# KiCad board A64-OlinuXino_Rev_H.kicad_pcb (continued)
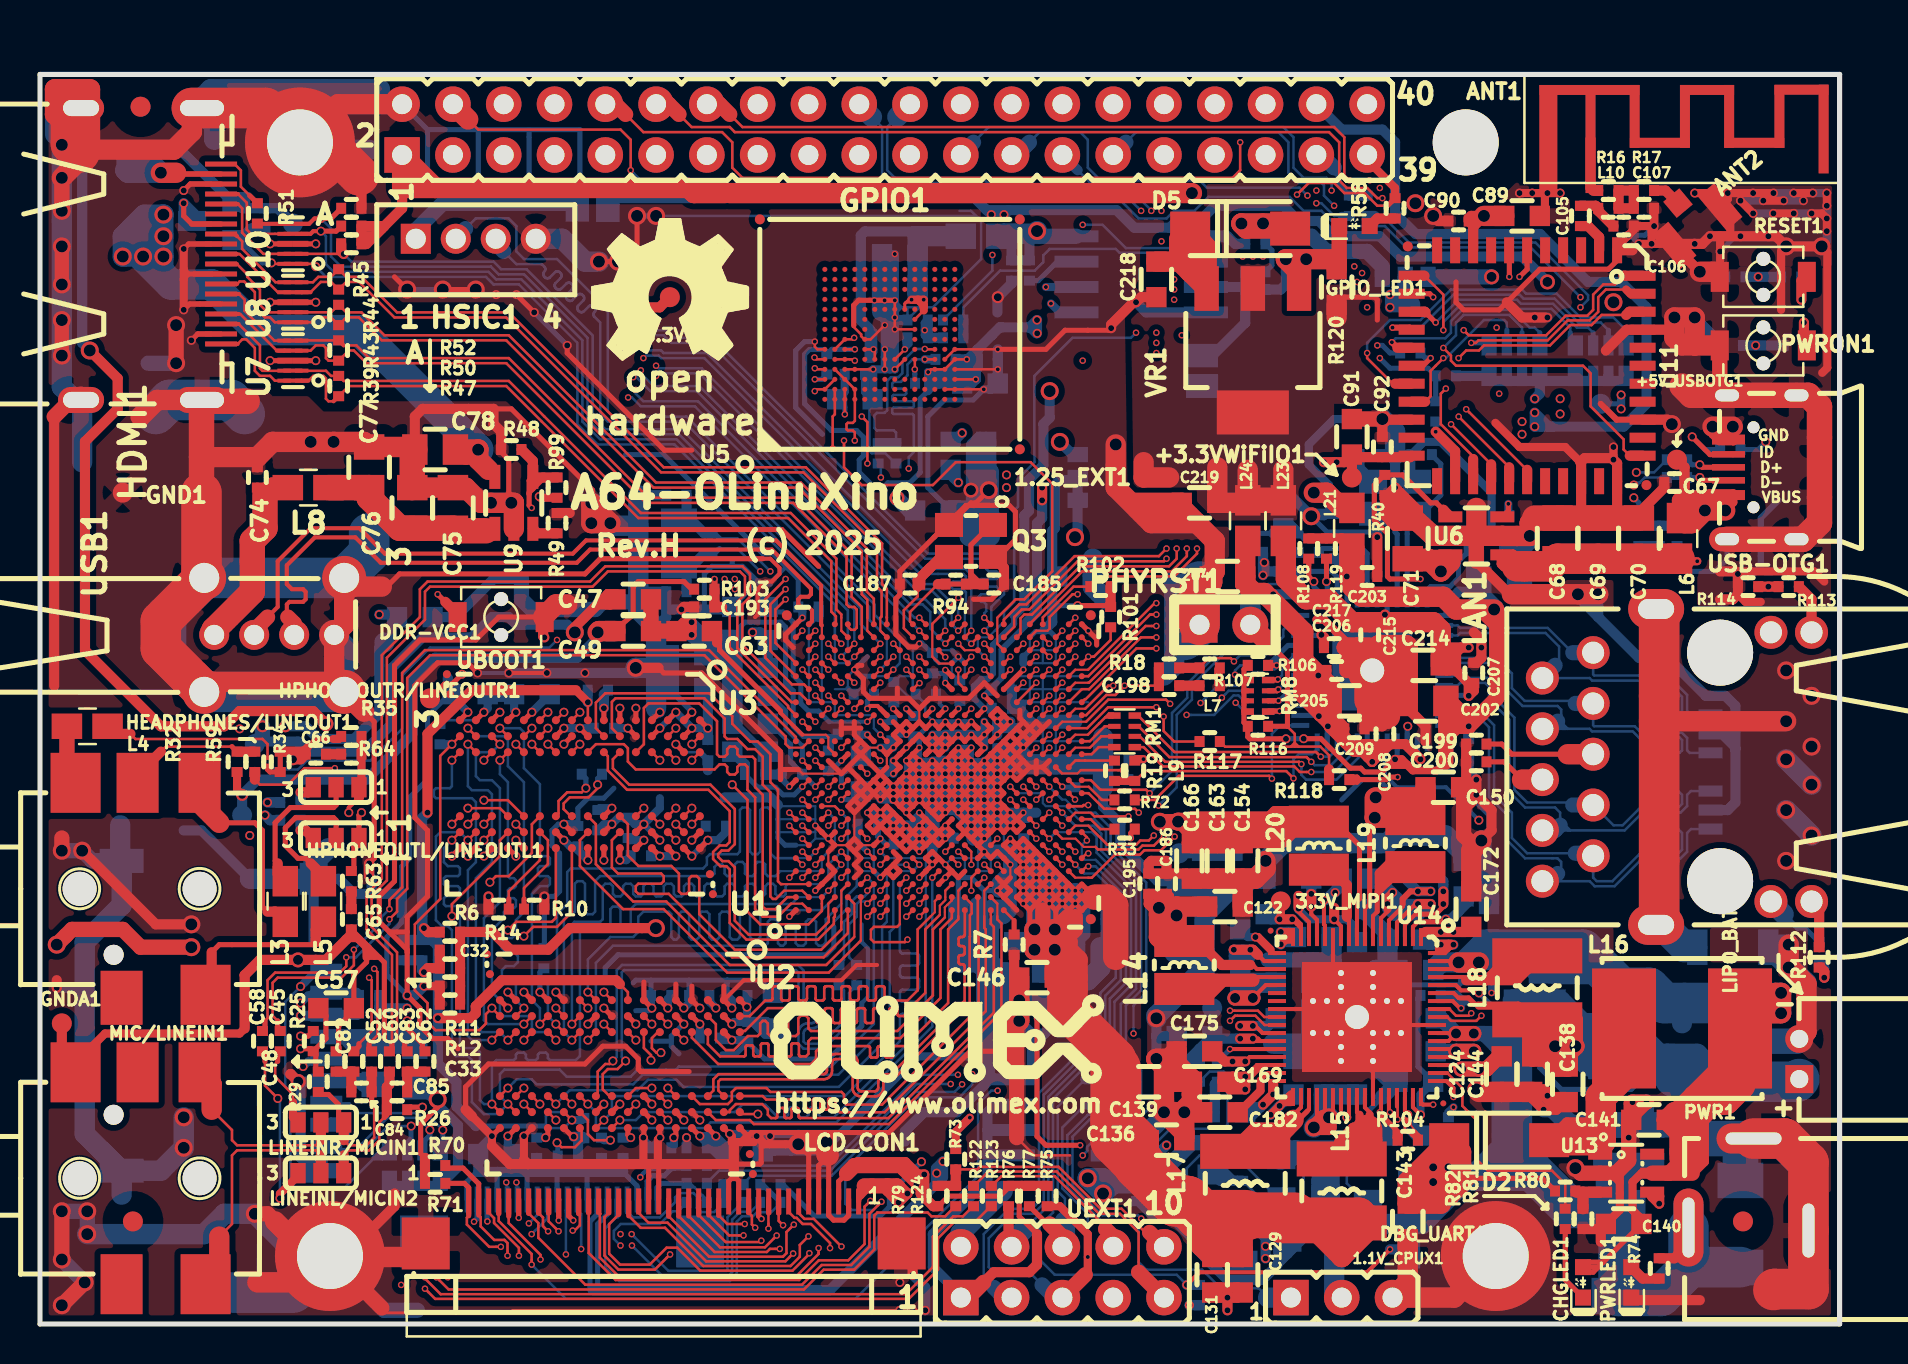
[diagram p0: board, top side]
## Routing (per net, layer and track width the routed paths; a pad name or vN(x,y) marks a point on that pad's centre or on a via; arc(x,y) is an arc through that point) (continued)
+1.8V: length 204.1
  Top w0.203: 70.56,18.85 70.27,18.55 U14.68 ; v3(70.05,18.97) 69.86,18.78 U14.68 ; 70.43,18.97 70.43,18.72 70.03,18.72 U14.68
  Top w0.254: 70.56,18.85 70.56,18.97 ; U1.E13 v4(40.07,28.17)
  Top w0.508: v3(70.05,18.97) 70.56,18.97 ; 27.89,35.99 26.75,34.85 v2(26.75,34.59) ; 27.89,35.99 28.52,35.99 C47.2 28.14,36.25 ; 27.89,35.99 28.14,36.25 ; 28.14,36.25 28.14,36.25 28.4,36.5 28.84,36.5
  In3.Cu w0.508: v5(11.12,29.9) 8.78,27.55 8.78,24.24 9.6,23.42 9.6,10.27 12.71,7.16 16.2,7.16 18.62,4.75 18.62,1.64 19.57,0.69 41.86,0.69 42.62,1.45 43.64,1.45 44.78,2.59 56.84,2.59 57.61,3.35 57.61,5.77 58.05,6.21 66.94,6.21 71.26,10.53 72.66,10.53 73.48,11.35 73.48,17.96 72.47,18.97 v3(70.05,18.97) 69.73,18.97 68.23,20.48 68.23,22.36 69.08,23.21 69.08,27.34 68.4,28.02 68.4,28.63 67.77,29.26 67.77,30.17 68.48,30.88 68.48,37.54 70.61,39.67 71.3,39.67 73.33,41.71 73.99,41.71 77.29,45.01 77.29,47.68 77.67,48.06 77.67,51.61 77.29,51.99 76.78,51.99 76.15,51.36 74.84,51.36 74.45,51.74 73.23,51.74 v1(72.59,52.38)
  In4.Cu w0.254: 37.79,29.13 37.92,29.26 38.99,29.26 v4(40.07,28.17)
  In4.Cu w0.508: 37.79,29.13 37.17,29.13 33.36,32.94 31.57,32.94 30.81,33.71 27.38,33.71 26.75,34.34 v2(26.75,34.59)
  Bottom w0.254: v4(40.07,28.17) 39.57,27.67 C50.2
  Bottom w0.508: +1.8V1.1 10.87,29.13 12.9,29.13 13.41,28.63 16.2,28.63 17.6,30.02 17.6,32.82 19.13,34.34 21.59,34.34 22.61,35.36 23.44,35.36 23.83,34.98 26.36,34.98 v2(26.75,34.59) ; v3(70.69,18.97) v3(70.05,18.97) 69.42,18.97 C170.2
  Bottom w0.762: +1.8V1.1 11.12,29.39 v5(11.12,29.9) ; v1(72.59,52.38) PWR_PC1.3
+3.0VA: length 136.2
  Top w0.203: U14.31 60.5,13.35 v3(60.27,13.13)
  Top w0.254: R103.1 32.59,36.75 32.21,37.13 29.92,37.13 29.67,36.88 29.67,35.48 28.78,34.72 ; U1.N16 v4(45.93,30.78) ; U1.G14 v4(41.38,29.47)
  Top w0.406: v5(10.11,26.47) 9.86,26.72 R32.2
  Top w0.508: v3(60.27,13.13) v3(59.64,13.13) 59.26,13.13 58.75,13.64
  Top w1.016: v2(27.89,34.59) 27.95,34.66 28.71,34.66 ; C49.1 28.02,34.66
  In2.Cu w0.107: 41.7,29.8 42.35,29.8 ; 41.82,28.5 42.22,28.5 42.35,28.62 42.35,29.15 U1.G14 41.7,28.62 41.82,28.5
  In2.Cu w0.254: U1.G14 v4(41.38,29.47) 41.7,29.8 ; 42.35,29.15 42.68,29.47 42.68,29.8 42.35,29.8
  In2.Cu w0.406: 42.68,29.8 43,30.12 43.52,30.12 43.97,30.58 43.97,30.84 44.42,31.29 45.64,31.29 45.93,31.01 v4(45.93,30.78)
  In3.Cu w0.508: v3(60.27,13.13) v3(59.64,13.13) 58.12,11.61 53.88,11.61 48.61,6.34 45.1,6.34 41.1,2.34 22.74,2.34 16.71,8.37 13.68,8.37 11.19,10.87 11.19,24.63 10.11,25.7 v5(10.11,26.47)
  In4.Cu w0.254: 39.45,29.47 39.57,29.47 ; 39.45,29.47 v4(41.38,29.47) ; 39.45,29.47 39.28,29.64 37.67,29.64 37.54,29.77
  In4.Cu w0.508: v2(27.89,34.59) 31.06,34.59 31.95,33.71 33.6,33.71 37.54,29.77
  Bottom w0.305: 45.99,31.17 45.93,31.1 v4(45.93,30.78)
  Bottom w0.406: v4(41.38,29.47) 40.93,29.47 C46.1
  Bottom w0.508: +3.0VA1.1 v5(10.11,26.47) 10.87,27.23 16.33,27.23 18.62,29.52 18.62,32.18 19.76,33.33 26.87,33.33 27.89,34.34 v2(27.89,34.59)
+3.3V: length 377.7
  Top w0.203: U14.20 60.86,17.75 60.66,17.96 60.53,17.96
  Top w0.254: v4(47.88,30.12) 47.55,30.45 47.88,30.78 U1.U16 ; v4(47.88,30.12) U1.U16 ; v4(47.88,30.12) U1.U15 ; 40.35,7.54 39.94,7.13 39.94,6.23 ; 30.3,50.72 v3(30.3,50.85) ; v4(45.28,32.71) 45.29,32.71 U1.N19 ; R76.1 48.44,6.83 48.01,6.4 45.44,6.4 44.93,5.89 R79.1 ; U1.U16 v4(48.53,30.12) U1.U15 ; 49.86,4.5 48.97,5.39 48.97,6.78 49.1,6.91 ; 44.22,7.37 44.15,7.44 ; U1.N18 45.29,32.06 v4(45.28,32.06) ; U1.U15 v4(47.88,29.47) U1.T14 ; 19.25,8.31 19.04,8.52 19.04,10 19.89,10.85 v2(19.89,11.23) ; U1.L16 v4(44.62,30.78)
  Top w0.406: 43.64,7.42 44.17,7.42 44.22,7.37 43.89,7.04 ; 44.22,6.35 44.22,6.58 ; v3(24.97,41.39) 25.03,41.33 R99.1
  Top w0.508: 49.86,4.5 49.86,2.97 49.48,2.59 47.7,2.59 47.19,2.08 ; 55.83,21.51 C186.2 56.46,21.39 56.46,20.5 56.84,20.5 ; 55.83,21.51 C195.2 55.45,21.01 55.96,20.5 55.96,21.39 55.83,21.51 ; 3.3V1.1 30.99,50.85 v3(30.3,50.85) ; 19.25,8.31 R70.2 R71.2 ; 60.53,17.96 59.1,17.96 57.9,19.16 L14.2 ; R75.1 48.41,6.91 ; 44.11,7.26 43.28,8.1 40.9,8.1 40.73,7.92 ; 44.28,6.29 44.04,6.52 44.04,6.89 43.89,7.04 ; 44.28,6.29 44.68,5.89 R79.1 ; 44.28,6.29 44.22,6.35 v3(44.22,7.48) 43.57,7.48 43.13,7.92 43.13,7.67 v3(43.83,6.97) 44.22,6.58 ; 71.67,54.95 71.74,54.95 v2(72.21,55.42) 71.58,55.42 71.45,55.3 C90.2 71.67,54.95 ; 71.67,54.95 U11.9 ; U13.4 80.62,6.37 v3(80.97,6.02) 80.97,6.4 80.78,6.59 U13.4
  Top w0.762: 47.19,2.08 46.43,1.32 UEXT1.1 ; 43.64,7.42 43.13,7.92 40.73,7.92 40.34,7.53 ; v2(7.57,18.85) 5.03,18.85 4.14,19.74 1.6,19.74 v2(0.84,18.97)
  Top w1.016: 56.84,20.88 56.46,20.5 ; 56.84,20.88 56.84,20.87 56.84,20.5 ; 56.84,20.88 C122.2 ; C89.2 v2(72.21,55.42) ; v2(60.08,55.04) 60.34,54.79 D5.2 62.26,55.05 v2(61.16,55.05) 60.08,55.05 ; 55.96,20.5 56.84,20.5 ; 56.84,20.5 56.84,19.54 L14.2 56.15,19.16 55.96,19.36 v2(55.96,20.82) ; v2(63.7,41.58) 64.34,41.58 65.1,40.82 L21.2 ; 60.34,54.78 60.08,55.04
  In4.Cu w0.107: 44.95,30.45 45.6,30.45 ; 44.95,30.45 44.95,29.8 ; 44.95,30.45 v4(44.62,30.78) U1.L16 44.3,29.8 44.95,29.8 ; 45.6,30.45 46.25,30.45 ; 45.6,30.45 45.6,31.1 ; 45.6,30.45 45.6,29.8 ; 46.9,30.45 47.55,30.45 ; 46.9,30.45 46.25,30.45 ; 46.9,30.45 46.9,29.8 ; 46.9,30.45 46.9,31.1 47.55,31.1 ; 46.25,30.45 46.25,29.8 ; 46.25,30.45 46.25,31.1 ; 45.6,29.8 46.25,29.8 ; 45.6,29.8 44.95,29.8 ; 46.25,29.8 46.9,29.8 ; 46.9,29.8 47.55,29.8 ; 46.25,32.08 46.25,35.97 ; 46.25,32.08 46.9,32.08 46.9,32.4 ; 46.25,32.08 46.24,32.06 v4(45.28,32.06) ; 46.9,32.4 46.9,35.97 ; 46.9,32.4 52.1,32.4 ; 48.85,31.1 49.5,31.1 ; 48.85,31.1 48.53,30.78 ; 48.85,31.1 48.85,34.67 ; 49.5,31.1 50.15,31.1 ; 49.5,31.1 49.5,33.87 49.5,33.87 49.5,34.67 49.5,34.67 ; 50.15,31.1 50.8,31.1 ; 50.15,31.1 50.15,35 ; 50.8,31.1 51.45,31.1 ; 50.8,31.1 50.8,35 ; 51.45,31.1 51.78,31.1 52.1,31.42 52.1,31.75 ; 51.45,31.1 51.45,35 ; 52.1,31.75 52.1,32.4 ; 52.1,31.75 47.88,31.75 ; 52.1,32.4 52.1,35 ; 43.65,32.4 40.4,32.4 ; 43.65,32.4 43.65,33.7 ; 43.65,32.4 44.94,32.4 45.11,32.23 ; 43.65,32.4 43.65,32.39 43.01,31.75 43,31.75 ; 40.4,32.4 39.75,32.4 ; 40.4,32.4 40.4,34.35 ; 38.12,34.03 38.45,33.7 52.75,33.7 ; 42.35,31.75 41.38,31.75 ; 42.35,31.75 43,31.75 ; 42.35,31.75 42.35,34.35 ; 43,31.75 43,34.67 ; 42.35,34.35 42.35,34.67 ; 42.35,34.35 45.12,34.35 45.12,34.35 45.43,34.35 45.43,34.35 52.75,34.35 ; 39.75,32.4 39.1,32.4 ; 39.75,32.4 39.75,34.35 ; 39.1,32.4 37.8,32.4 ; 39.1,32.4 39.1,34.35 38.45,34.35 38.45,35 37.8,35 ; 52.75,33.05 45.44,33.05 45.43,33.03 44.64,33.03 44.62,33.05 38.28,33.05 38.28,33.05 37.8,33.05 37.8,33.05 ; v4(45.28,32.71) 45.6,33.04 45.6,34.51 45.59,34.52 45.59,35.64 45.6,35.65
  In4.Cu w0.254: 44.22,7.37 43.89,7.04 ; v4(47.88,29.47) 47.55,29.8 v4(47.88,30.12) v4(47.88,29.47) ; v4(47.88,29.47) U1.U15 v4(48.53,30.12) 48.53,30.78 ; v2(0.84,18.97) 2.11,20.24 2.74,20.24 3.5,21.01 3.5,24.05 0.84,26.72 0.84,42.91 3.63,45.71 3.63,49.58 2.74,50.47 ; 44.62,32.72 44.62,32.72 45.11,32.23 45.11,32.23 v4(45.28,32.06)
  In4.Cu w0.406: 24.97,41.96 v3(24.97,41.39)
  In4.Cu w0.508: 57.35,3.1 56.85,2.59 47.32,2.59 47.32,4.75 47.7,5.13 54.31,5.13 ; 16.46,11.61 16.46,14.21 18.04,15.79 v3(18.36,15.79)
  In4.Cu w0.711: 44.62,32.72 44.62,35.88
  In4.Cu w0.762: v2(19.89,11.23) 19.89,11.35 19.63,11.61 16.46,11.61 15.32,10.47 11.51,10.47 10.62,11.35 10.62,15.8 v2(7.57,18.85) ; 44.62,35.88 44.62,39.55 v1(42.86,41.31) ; 0.84,17.96 v2(0.84,18.97) ; 56.84,20.5 56.84,20.5
  In4.Cu w1.016: v2(55.96,20.82) 56.34,20.43 v2(56.84,20.43) 60.46,20.43 62.69,22.66 ; UEXT1.1 47.32,2.59
  In4.Cu w1.524: 68.66,24.44 67.26,23.04 63.07,23.04 62.69,22.66
  Bottom w0.254: v3(86.31,44.12) 85.93,43.74 R37.2 ; R56.2 61.61,52.95 61.61,53.71 R53.2 ; C73.2 45.28,32.54 ; 45.28,32.54 v4(45.28,32.06) ; 45.28,32.54 v4(45.28,32.71)
  Bottom w0.508: v4(47.88,29.47) 47.88,29.78 C80.1 ; v2(61.16,55.05) 61.29,54.92 R53.2 ; U4.2 47.38,9.7 ; 47.38,8.43 47.38,7.23 44.65,4.5 44.65,2.84 46.05,1.45 UEXT1.1 ; 47.38,8.43 47.38,9.7 ; 47.38,8.43 U4.1 ; 47.38,9.7 47.38,10.59 47.76,10.97 U4.3 ; C80.1 47.88,29.83 v4(47.88,30.12) v4(48.53,30.12) ; C80.1 C115.2 ; 55.32,8.43 C39.1 55.96,8.56 ; 55.32,8.43 55.83,8.43 55.96,8.56 ; 55.32,8.43 U4.8 ; 18.36,6.91 17.47,6.91 RM7.4.1 ; 18.36,6.91 RM7.3.1 ; 18.36,6.91 19.13,6.91 ; 55.96,8.56 v3(56.34,8.94) ; 19.13,6.91 RM7.2.1 ; 19.13,6.91 19.76,6.91 RM7.1.1 20.21,7.16 20.9,7.86 20.9,9.93 19.89,10.95 v2(19.89,11.23) ; R30.2 R31.2 16.97,15.79 v3(18.36,15.79) ; 3.3V/VCC-PE:2.8V1.3 51.64,43.48 v2(51,44.12) ; R95.2 v3(57.48,0.94) ; 49.73,54.53 49.86,54.66 v2(49.86,54.67) 49.48,54.29 R57.2 C81.2 48.59,54.53 49.73,54.53
  Bottom w0.762: L2.1 19.13,11.99 v2(19.89,11.23) ; 67.13,52.88 66.37,53.65 64.34,53.65 63.58,54.41 62.56,54.41 61.92,55.05 v2(61.16,55.05) 60.28,55.05 60.27,55.04 ; C116.2 43.48,40.69 v1(42.86,41.31) ; U12.8 49.97,54.41 49.86,54.52 v2(49.86,54.67) ; PWR_PC1.1 67.13,52.63
  Bottom w1.016: L1.1 48.21,54.53 49.73,54.53 49.86,54.66
+3.3VD: length 183.6
  Top w0.203: 62.56,19.61 62.66,19.51 U14.17
  Top w0.254: U1.M16 v4(45.28,30.78)
  Top w0.406: 62.56,19.61 v3(62.05,19.61) v3(62.05,18.99) 62.29,19.23 62.56,19.23
  Top w0.508: v1(14.3,30.02) 13.67,30.66 9.98,30.66 9.22,29.9 6.05,29.9 2.25,33.69 2.25,44.13 3.89,45.77 3.89,47.3 v2(2.49,48.69)
  In3.Cu w0.508: v3(62.05,19.61) v3(62.05,18.99) 60.26,17.2 59.51,17.2 58.88,16.56 58.88,13.39 57.86,12.37 53.67,12.37 48.26,6.96 44.82,6.96 40.82,2.96 26.06,2.96 25.22,3.8 24.4,3.8 23.8,4.4 21.55,4.4 16.96,8.99 13.94,8.99 12.52,10.4 12.52,11.48 11.82,12.18 11.82,24.37 13.79,26.34 13.79,29.52 v1(14.3,30.02)
  In4.Cu w0.107: 40.4,31.75 39.22,31.75 39.1,31.62 39.1,31.1 40.4,31.1 40.4,30.58 40.28,30.45 39.1,30.45
  In4.Cu w0.203: 39.1,30.45 38.78,30.78
  In4.Cu w0.254: 40.4,31.75 40.72,31.42 ; 40.72,31.42 40.72,31.43 ; 40.72,31.42 44.62,31.42 v4(45.28,30.78) ; 40.72,31.42 40.4,31.1 ; 39.1,31.1 38.78,30.78
  In4.Cu w0.406: 38.78,30.78 38.45,30.78 38.4,30.83
  In4.Cu w0.508: 38.4,30.83 37.5,30.83 33.35,34.98 33.35,35.48 32.46,36.37 25.09,36.37 24.08,35.36 22.68,35.36 21.41,34.09 18.49,34.09 17.22,32.82 17.22,31.17 16.08,30.02 v1(14.3,30.02)
  Bottom w0.203: C79.2 45,31.31 45,31 45.22,30.78 v4(45.28,30.78)
  Bottom w0.406: C161.2 62.56,19.61
  Bottom w0.508: 62.56,19.61 v3(62.05,19.61) v3(62.05,18.99) 62.42,19.36 C161.2 ; +3.3VD1.1 11.89,55.8 R46.1 10.13,55.8 FET1.1 9.62,56.12 6.76,58.98 2.74,58.98 2.11,58.34 2.11,49.07 v2(2.49,48.69)
+3.3VWiFiIO: length 103.1
  Top w0.203: U14.13 64.26,19.94 64.21,19.99 v3(64.21,21.2)
  Top w0.254: U1.T17 v4(47.22,31.42)
  Top w0.508: v3(64.21,43.1) 65.23,43.1 C91.2 ; C91.2 65.74,43.36 C92.2 68.52,43.36 U11.22 ; C91.2 +3.3VWiFiIO1.1 ; v3(50.11,41.2) v3(50.11,41.83)
  In2.Cu w0.508: 50.81,41.83 v3(50.11,41.83) v3(50.11,41.2) 50.75,41.83 50.81,41.83 ; 50.81,41.83 55.96,41.83 57.23,43.1 v3(64.21,43.1) 70.45,43.1 72.36,45.01 73.12,45.01 74.39,46.28 v3(74.75,46.28) 75.01,46.28 75.39,45.9 75.39,43.23 ; 64.59,24.5 64.59,26.85 64.21,26.47 v3(64.21,21.2) ; v3(64.21,21.2) 64.59,21.58 v3(64.77,21.58) ; v3(64.21,21.2) 64.21,21.45 64.53,21.77 64.59,21.77
  In2.Cu w0.762: 66.24,30.53 65.26,31.52 65.26,33.61 66.37,34.72 66.37,35.74 67.77,37.13 67.77,38.02 69.67,39.93 71.2,39.93 73.1,41.83 73.99,41.83 75.39,43.23
  In2.Cu w1.016: 64.59,21.77 64.59,26.47 65.73,27.61 65.73,28.49 66.24,29.01 66.24,30.53
  Bottom w0.305: v4(47.22,31.42) 47.5,31.7 C110.2 47.59,31.82 48.09,32.32 48.09,33.73 49.35,34.99 49.35,35.1
  Bottom w0.508: RM9.1.1 79.32,47.17 78.44,47.17 ; 73.35,47.17 RM12.3.1 ; 73.35,47.17 74.94,47.17 75.01,47.23 RM12.1.1 75.01,46.53 v3(74.75,46.28) ; 73.35,47.17 72.47,47.17 RM12.4.1 R61.2 ; RM9.3.1 77.67,47.17 75.01,47.17 ; v3(64.77,21.58) 65.1,21.91 C165.2 65.1,22.21 ; 65.16,22.09 64.27,21.2 v3(64.21,21.2) ; 78.44,47.17 RM9.2.1 ; 78.44,47.17 77.74,47.17 ; 49.35,35.1 49.86,35.61 49.86,40.06 50.11,40.31 v3(50.11,41.83)
  vias: v3(64.85,43.1)
+5V: length 342.2
  Top w0.254: 41.1,6.4 40.94,6.25 LCD_CON1.1 ; 41.1,6.4 41.1,6.78 41.22,6.91 40.94,6.63 40.94,6.23 ; 41.1,6.4 41.6,6.91
  Top w0.406: 43.38,6.53 43.16,6.31 ; 43.16,6.31 43.32,6.46 ; 43.16,6.31 v3(42.94,6.08)
  Top w0.508: 22.43,42.72 22.75,42.4 U9.5 ; C78.1 21.28,43.23 21.92,43.23 ; 69.42,38.28 69.61,38.47 70.53,38.47 70.53,38.12 ; 69.8,37.9 68.78,37.9 C71.1 ; 17.19,54.91 17.22,54.91 18.11,55.8 18.11,56.82 ; 17.19,54.91 17.19,54.88 17.09,54.79 ; 17.19,54.91 R50.1 16.08,54.41 ; 17.09,54.79 16.71,54.41 16.08,54.41 ; 17.09,54.79 16.33,54.03 R47.1 16.08,54.41 ; v3(43.38,6.53) 43,6.91 42.37,6.91 42.37,6.65 v3(42.94,6.08) v3(43.38,6.53)
  Top w0.762: 42.92,6.83 42.84,6.91 42.37,6.91 ; 42.37,6.91 42.88,6.4 ; 42.37,6.91 41.22,6.91 ; 34.24,56.57 34.37,56.69 34.49,56.57
  Top w1.016: 21.92,43.74 21.9,43.74 v2(21.91,43.73) ; 21.92,43.74 C78.1 ; 21.92,43.74 21.92,43.23 22.43,42.72 ; C71.1 69.42,38.28 70.05,37.64 v2(70.06,37.64) 70.53,38.12 70.53,38.12 ; v2(57.61,56.57) 34.49,56.57 ; 19.76,56.82 18.11,56.82 GPIO1.1 19.76,56.82 ; 19.76,56.82 32.46,56.82 32.71,56.57 34.24,56.57
  In2.Cu w1.016: v2(6.17,55.49) 5.22,55.49 4.14,54.41 v2(4.14,53.39) ; v2(6.17,55.49) 4.14,53.45 v2(4.14,53.39) ; v2(6.17,55.49) 6.17,52.38 6.55,51.99 ; v2(4.14,53.39) v2(6.17,53.39) ; v2(78.69,51.1) 75.9,53.9 65.61,53.9 64.34,55.17 63.07,55.17 61.67,56.57 v2(57.61,56.57) ; v2(5.16,53.39) v2(6.17,54.41)
  In2.Cu w1.524: v2(5.16,53.39) 6.55,51.99 8.58,51.99 10.87,49.71 14.49,49.71 16.59,51.8 16.59,56.06 18.11,57.58 GPIO1.1
  In3.Cu w1.016: v2(78.69,51.1) 78.69,47.68 78.18,47.17 78.18,44.63 72.34,38.79 71.2,38.79 v2(70.06,37.64)
  In4.Cu w0.508: 43.32,4.31 42.94,4.69 v3(42.94,6.08) ; v3(42.94,6.08) 43.5,5.52 44.54,5.52 44.26,5.52 43.32,6.46 v3(42.94,6.08) ; v3(42.94,6.08) v3(43.38,6.53) 43.61,6.3 45.53,6.3 46.01,6.78 ; v3(42.94,6.08) 43.32,6.08 44.21,5.19
  In4.Cu w0.762: 4.52,53.52 6.05,53.52 v2(6.17,53.39)
  In4.Cu w1.016: v2(6.17,53.39) 4.65,51.87 4.65,51.36 ; v2(6.17,53.39) v2(4.14,53.39) 4.14,54.41 5.22,55.49 v2(6.17,55.49) v2(6.17,53.39) ; 51.64,6.78 51.89,6.78 v2(52.4,7.29) ; 4.52,54.41 v2(6.17,54.41) 5.79,54.79 4.52,54.79
  In4.Cu w1.27: v2(53.16,6.53) 51.89,6.53 51.64,6.78
  In4.Cu w2.032: 5.03,49.58 5.03,45.01 2.74,42.72 2.74,27.36 5.54,24.56 5.54,18.34 8.84,15.04 8.84,10.72 11.12,8.43 16.49,8.43 23.47,1.45 40.37,1.45 43.23,4.31 43.32,4.31 44.54,5.52 44.76,5.52 46.01,6.78 53.03,6.78 ; 5.03,49.58 5.03,53.14 5.28,53.39 ; 5.03,49.58 5.03,50.98 4.65,51.36 4.65,53.39
  Bottom w0.508: 62.94,8.43 63.07,8.56 65.35,8.56 65.99,7.92 66.37,7.92 ; 62.94,8.43 62.62,8.12 62.09,8.12 62.41,8.43 62.94,8.43
  Bottom w0.762: 61.96,8.12 61.96,8.78 61.93,8.81 ; 61.96,8.12 61.96,8.14 61.04,9.07 ; 61.96,8.12 62.12,8.12 62.81,8.81 ; 62.81,8.81 65.61,8.81 66.37,8.05 ; 62.81,8.81 61.93,8.81 ; 53.92,7.29 53.54,6.91 5V_E1.2 54.94,7.16 55.47,7.69 56.23,7.69 57.61,9.07 61.04,9.07 ; 53.92,7.29 55.07,7.29 ; 53.92,7.29 53.16,7.29 ; 61.93,8.81 61.67,9.07 61.04,9.07
  Bottom w1.016: 4.52,54.79 4.52,54.78 ; 4.52,54.78 5.22,55.49 v2(6.17,55.49) ; 4.52,54.78 4.52,53.52 5.54,53.52 ; v2(6.17,55.49) 4.84,54.16 D3.2 ; v2(6.17,55.49) 6.11,55.42 5.16,55.42 4.14,54.41 v2(4.14,53.39) v2(6.17,53.39) ; v2(6.17,55.49) v2(6.17,53.39) ; v2(5.16,53.39) v2(6.17,54.41) ; v2(6.17,53.39) 6.17,52.38 6.55,51.99 ; v2(52.4,7.29) 53.04,7.29 53.29,7.04 53.29,6.91 ; v2(52.4,7.29) v2(53.16,6.53) 53.54,6.91 53.16,7.29 v2(52.4,7.29)
  Bottom w1.524: 8.58,51.99 8.71,51.87 ; 8.58,51.99 6.55,51.99 v2(5.16,53.39) ; 8.58,51.99 10.87,49.71 15.95,49.71 21.91,43.75 v2(21.91,43.73)
+5V_EXT: length 103
  Top w0.203: U14.58 70.79,14.55 v1(70.81,14.53) 70.44,14.15 U14.57
  Top w0.508: R74.1 81.74,3.29 82.44,3.99 PWR1.+ 82.44,3.74
  Top w0.762: v1(70.81,14.53) v1(71.7,14.53)
  Bottom w0.508: 58.75,2.84 58.24,3.35 ; 58.75,2.84 59.38,2.21 61.14,2.21 61.89,2.96 61.89,3.01 ; 58.75,2.84 57.73,3.86 57.73,4.19 56.66,5.26 55.83,5.26 5V_E1.1 ; 62.39,3.52 U16.3 61.93,3.65 61.93,3.05 61.89,3.01 ; 62.39,3.52 62.39,4.07 62.43,4.11 ; 62.39,3.52 63.58,4.7 63.58,4.88 ; 62.39,3.52 61.89,3.01 ; R20.2 58.62,2.97
  Bottom w0.762: v1(71.7,14.53) 73.61,14.53 73.61,13.89 72.85,13.89 72.21,14.53 v1(71.7,14.53) ; v1(71.7,14.53) v1(70.81,14.53) 70.05,15.29 C121.1 ; 69.61,5.32 71.32,7.04 ; 69.61,5.32 69.16,4.88 64.97,4.88 ; 69.61,5.32 69.42,5.13 ; 71.32,7.04 72.97,8.69 73.61,8.69 71.96,7.04 ; 71.32,7.04 71.96,7.04 ; 71.32,7.04 74.5,7.04 74.5,7.8 73.86,8.43 ; 71.96,7.04 72.85,7.04 74.05,8.24 ; 64.17,5.85 63.96,6.07 63.96,6.78 ; 64.17,5.85 64.61,5.41 ; 64.17,5.85 63.64,5.32 ; 64.17,5.85 64.17,4.88 ; 64.17,4.88 64.97,4.88 ; 64.17,4.88 63.19,4.88 ; 64.97,4.88 64.97,5.05 64.61,5.41 ; 63.19,4.88 62.43,4.11 ; 63.19,4.88 63.64,5.32 ; 64.61,6.38 64.61,5.74 65.23,5.13 ; 64.61,6.38 64.61,6.89 64.34,7.16 ; 64.61,6.38 64.61,5.41 ; 64.61,5.41 64.89,5.13 65.23,5.13 ; 63.96,6.78 63.96,7.16 64.17,7.16 ; 63.96,6.78 63.96,5.64 63.64,5.32 ; 65.23,5.13 69.16,5.13 69.93,5.89 69.94,5.89 73.49,9.45 73.61,9.45
  Bottom w1.27: C118.2 C119.2 78.82,7.54
  Bottom w2.032: 78.82,7.54 78.82,5.93 FUSE2.1 ; FUSE2.1 FUSE2.2 81.06,1.41 82.44,2.79 ; FUSE2.1 76.49,5.81 73.61,8.69 73.61,13.89 ; 82.44,2.79 82.44,3.08 ; 82.44,2.79 PWR1.+ ; 85.04,2.84 82.57,2.84
+5V_USBOTG: length 63.6
  Top w0.203: v1(71.07,12.75) 70.87,12.95 U14.54
  Top w0.406: v2(84.28,40.69) 84.68,41.1 84.68,41.33 ; 83.26,41.33 83.49,41.55 84.68,41.55 84.68,41.33 ; 83.26,41.33 v2(83.26,40.69) ; 83.26,41.33 84.68,41.33
  Top w0.508: 81.99,41.2 82.25,41.45 C67.1 82.25,42.85 +5V_USBOTG1.1
  Top w0.762: v1(71.07,12.75) v1(71.96,12.75) 72.34,12.75 72.97,13.39 C124.1 ; 83.26,41.33 82.12,41.33 81.99,41.2 L6.2
  Top w1.016: v2(83.26,40.69) 82.37,40.69 L6.2 82.25,40.06 82.63,40.06 v2(83.26,40.69) ; v2(83.26,40.69) v2(84.28,40.69)
  In2.Cu w0.762: 72.34,12.75 73.99,12.75 73.99,13.39 ; 72.34,12.75 72.59,12.75 v1(71.96,12.75) v1(71.07,12.75) ; 72.34,12.75 72.34,13 73.99,14.66
  In2.Cu w1.016: v2(84.28,40.69) v2(83.26,40.69) 82.5,40.69 81.99,40.18
  In2.Cu w2.032: 73.99,13.39 73.99,18.53 71.7,20.82 71.7,22.28 70.43,23.55 70.43,28.88 69.93,29.39 69.93,35.23 72.09,37.39 75.39,37.39 76.91,38.91 80.72,38.91 81.99,40.18
/Power Supply, Extensions and MiPi-DSI/1.8V_DVDD-CSI: length 68.3
  Top w0.203: 69.29,19.61 69.06,19.38 U14.1
  Top w0.508: 69.29,19.61 v3(70.05,19.61) 71.32,19.61 C172.2
  In2.Cu w0.508: v2(68.78,56.06) 67.77,57.07 67.77,59.11 67.13,59.74 63.07,59.74 61.8,61.01 GPIO1.36
  In3.Cu w0.508: v3(70.05,19.61) v3(70.69,19.61) 70.94,19.86 70.94,29.52 70.69,29.77 70.69,34.98 72.34,36.63 74.88,36.63 77.99,39.74 80.4,39.74 81.17,40.5 81.17,43.48 80.59,44.06 80.59,51.55 79.32,52.82 78.5,52.82 77.99,53.33 71.32,53.33 70.56,54.09 69.29,54.09 68.78,54.6 v2(68.78,56.06)
/Power Supply, Extensions and MiPi-DSI/2.8V_AVDD-CSI: length 70.6
  Top w0.203: v3(63.58,20.88) 63.58,20.5 63.86,20.21 U14.14
  Top w0.508: v3(63.58,20.88) v3(63.58,21.51)
  In2.Cu w0.508: v3(63.58,20.88) 63.58,26.78 64.86,28.07 64.86,29.15 65.23,29.52 65.23,30.28 64.51,30.99 64.51,34.01 65.61,35.1 65.61,36.06 66.97,37.42 66.97,38.31 69.35,40.69 70.88,40.69 72.78,42.6 73.67,42.6 74.75,43.68 v3(74.75,44.88) v3(74.75,45.58)
  Bottom w0.508: GPIO1.38 65.1,59.74 67.13,59.74 67.77,59.11 67.77,55.55 68.8,54.52 75.02,54.52 77.42,52.12 79.07,52.12 80.34,50.85 80.34,46.02 79.2,44.88 75.64,44.88 ; v3(63.58,20.88) C164.2 ; 75.64,44.88 75.45,44.88 v3(74.75,45.58) v3(74.75,44.88) 75.64,44.88
/Power Supply, Extensions and MiPi-DSI/3.3V_MIPI: length 67.4
  Top w0.203: 63.06,19.81 63.06,20 62.81,20.24 v3(62.62,20.24) 63.06,19.81 ; 63.06,19.81 U14.16
  Top w0.406: 62.05,20.24 3.3V_MIPI1.1
  Top w0.508: v3(62.62,20.24) v3(61.99,20.24)
  In3.Cu w0.406: 62.56,20.24 62.31,20.5 61.93,20.5 61.86,20.43 ; 46.05,7.86 46,7.81 44.84,7.81 ; 44.84,7.81 v3(44.84,7.54) 47.96,7.54 48.4,7.99 ; 44.84,7.81 v3(45.16,8.13)
  In3.Cu w0.508: 62.56,20.24 61.73,20.24 61.73,20.31 61.86,20.43
  In3.Cu w0.762: 61.73,20.37 60.15,20.37 57.48,17.7 57.48,15.52 56.23,14.28 55.45,14.28 54.81,13.64 53.8,13.64 48.02,7.86 45.29,7.86
  Bottom w0.254: MIPI-DSI1.15 28.36,5.48 27.89,5 27.89,1.77 27.83,1.7 ; 27.64,1.7 27.51,1.83 27.51,5.13 27.86,5.48 MIPI-DSI1.14
  Bottom w0.406: 45.1,8.13 45.03,8.06 ; 62.56,20.24 v3(61.99,20.24)
  Bottom w0.508: v3(45.16,8.13) 45.16,7.35 44.78,6.97 ; v3(45.16,8.13) 44.84,7.81 v3(44.84,7.54) ; v3(45.16,8.13) 44.81,7.77 44.81,7 39.51,1.7 27.64,1.7 ; C162.2 61.54,20.24 v3(61.99,20.24)
/USB&HDMI,WiFi&BT,Ethernet,LCD/VDD33: length 115.9
  Top w0.254: 60.21,31.17 60.21,31.61 ; 60.21,31.17 60.21,30.66 ; 60.21,31.17 60.21,31.17 RM8.3.1 ; 60.21,31.61 60.27,31.67 RM8.2.1 ; 60.21,31.61 60.21,32.21 RM8.1.1 ; v3(63.2,29.28) 64.06,29.28 65.53,27.8 66.05,27.8 66.24,27.61 67.13,27.61 v3(67.77,28.25) ; 62.3,29.26 62.3,29.27 v3(62.31,29.27) 60.5,29.27 60.4,29.37 R116.2 60.21,30.09 60.21,30.66 ; RM8.4.1 60.24,30.63 60.21,30.66 ; 60.21,32.25 60.21,32.75 R106.1
  Top w0.381: 70.15,27.97 70.31,28.12 69.88,27.69 68.66,27.69
  Top w0.406: 68.66,27.69 68.38,27.97 ; 68.38,27.97 68.1,28.25 v3(67.77,28.25) 67.51,27.99 67.54,27.97 68.38,27.97
  Top w0.508: v3(65.35,37.39) C203.2 ; v3(64.08,34.47) 64.21,34.34 64.21,33.83 ; R108.2 R119.2 65.1,39.29 L21.1 ; 71.45,30.53 v3(71.45,29.9) ; 70.31,29.83 70.31,28.12 70.31,29.2 71.01,29.9
  Top w0.762: 72.09,30.53 72.85,31.29 72.85,34.98 ; 72.09,30.53 v3(71.45,29.9) ; 72.09,30.53 70.94,30.53 ; v2(72.72,35.74) 72.85,35.61 72.85,34.98 ; 72.85,34.98 72.85,34.98 72.09,35.74 72.09,35.74 ; v3(71.45,29.9) 70.37,29.9 70.31,29.83 C202.1 70.31,28.12 ; v3(71.45,29.9) 70.81,29.9
  Top w1.016: 70.94,30.53 C202.1 ; 65.61,37.26 65.61,36.88 66.12,36.37 70.18,36.37 70.81,35.74 v2(72.72,35.74)
  Top w1.27: L21.1 65.61,37.26 65.61,37.39
  In2.Cu w0.508: v3(65.35,37.39) 65.35,36.69 64.97,36.31 64.97,35.36 v3(64.08,34.47)
  In3.Cu w0.254: v2(72.72,35.74) 73.1,36.12 75.26,36.12 76.78,37.64 83.01,37.64 84.66,35.99 85.93,35.99 86.44,35.48 ; v3(71.45,29.9) 72.97,28.37 72.97,19.74 75.01,17.7 83.51,17.7 85.67,19.86
  In3.Cu w0.762: 85.67,19.86 86.56,20.75 86.56,21.13
  In3.Cu w1.016: 86.44,35.48 86.44,34.72 LAN1.11
  Bottom w0.254: v3(71.45,29.9) 71.41,29.94 U15.12 ; 70.43,35.61 70.26,35.44 U15.1 72.42,35.44 v2(72.72,35.74) ; U15.40 65.37,37.37 v3(65.35,37.39) 65.35,37.52 64.72,38.15 R110.1 ; v3(64.08,34.47) 64.06,34.44 U15.34 ; v3(63.2,29.28) 62.32,29.28 v3(62.31,29.27) ; v3(67.77,28.25) 67.87,28.35 U15.16 ; 87.2,20.5 87.9,19.8 88.28,19.8 R111.1
  Bottom w0.508: 70.43,35.61 70.43,36.12 70.94,36.63 71.45,36.63 C201.1 ; C216.2 v3(71.45,29.9)
  Bottom w1.016: 86.56,21.13 87.2,20.5 ; v2(72.72,35.74) 71.96,35.74 C201.1 71.96,36.5 v2(72.72,35.74)
GND: length 3642.8
  Top w0.107: 37.92,27.74 38.13,27.53 40.07,27.53 ; v4(42.03,28.83) 41.38,28.83 ; 39.75,23.95 40.4,23.95 ; v4(48.53,22.97) 48.53,22.33 ; 39.43,22.97 39.43,23.62 ; 43.97,30.12 43.97,30.78 ; 40.72,25.58 40.72,24.28 ; U1.G6 41.05,23.95 ; U1.H13 42.35,27.85
  Top w0.127: 23.51,0.56 23.63,0.69 v3(44.27,0.69) 44.15,0.56 17.34,0.56 17.09,0.81 ; U5.N5 U5.P6 v4(47.9,48.75) ; U5.J5 42.75,47.75 v4(42.75,47.75) ; v4(42.25,49.96) 41.54,49.25 U5.E7 41.22,49.25 41.06,49.41 41.06,49.5 40.69,49.87 40.69,49.94 ; U5.K8 v4(42.75,49.75) U5.H10 v4(42.75,51.2) ; 51.51,8.43 49.73,8.43 48.84,9.32 ; v4(42.24,47.75) 42.25,47.76 U5.G5 v4(42.25,48.75) ; U5.P4 v4(47.9,47.75) ; U5.N2 v4(47.2,46.75) ; U5.A6 38.88,48.75 38.75,48.88 v4(38.75,49.14) ; U5.C4 41.75,47.75
  Top w0.203: U14.69 66.26,14.95 U14.59 ; U14.69 64.66,16.55 U14.12 ; U14.69 U14.69 U14.45 ; U14.69 65.46,15.75 U14.25 ; v3(25.35,32.56) v3(23.44,32.56) ; 36.14,37.01 36.27,37.13 36.6,37.13 36.98,37.52 36.98,37.82 36.53,38.28 36.14,38.28 ; 36.14,37.01 35.89,36.75 35.89,35.48 35.76,35.36 ; 36.14,37.01 36.02,37.13 ; 7.71,52.52 7.46,52.52 7.19,52.25 ; 41.86,17.96 40.84,17.96 40.08,17.2 35.2,17.2 U2.B1